# KiCad board AnalogFNN.kicad_pcb (continued)
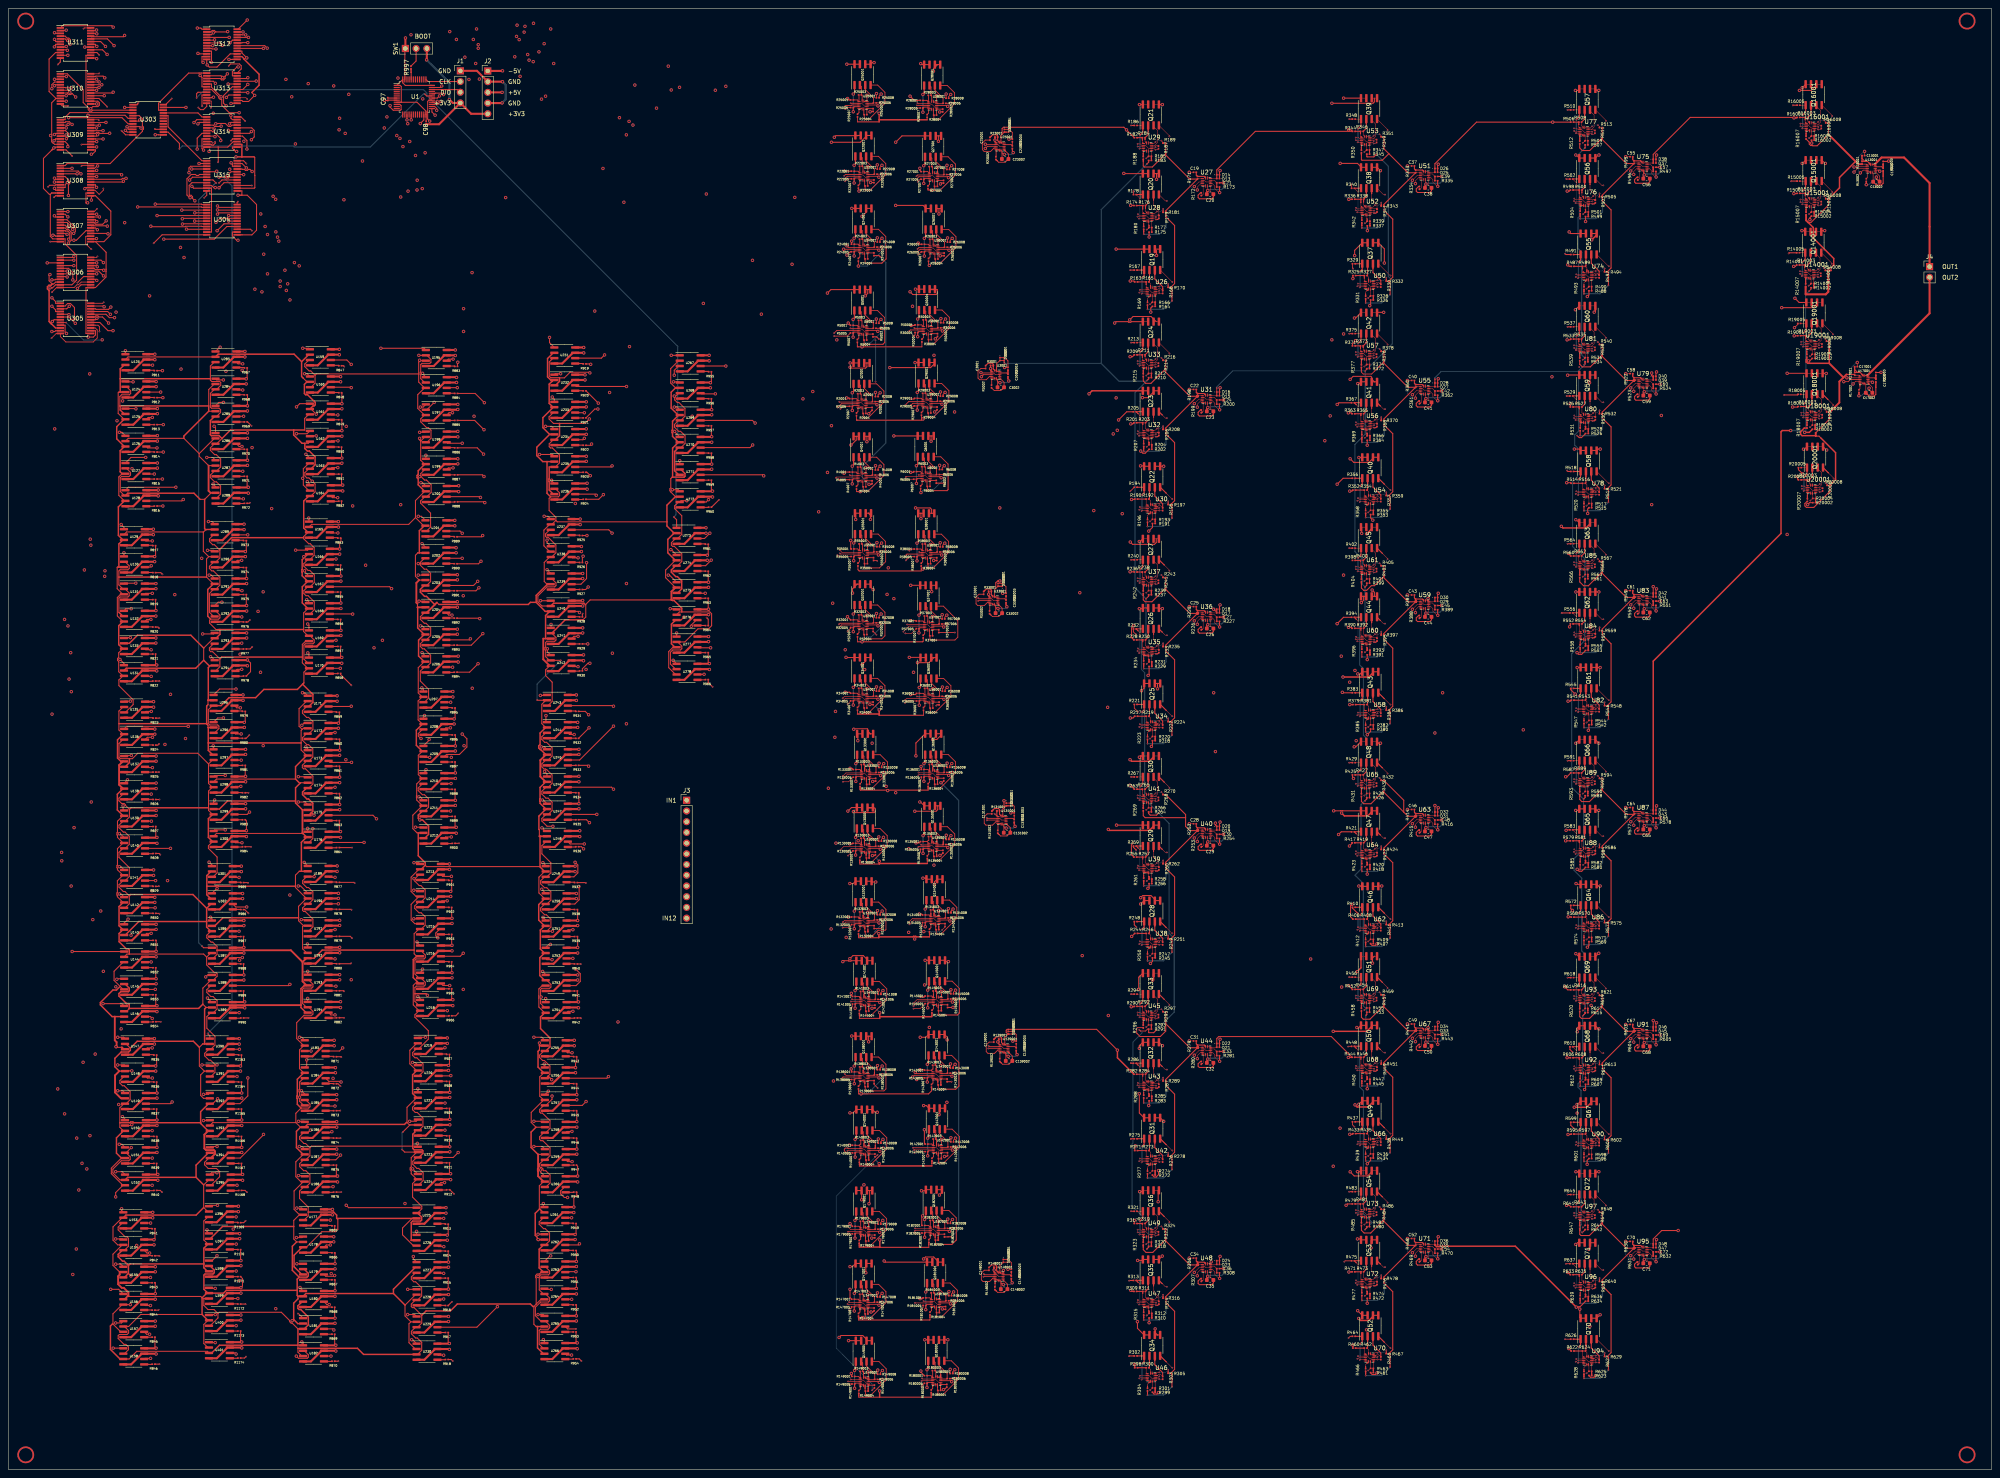
[diagram p0: board, top side]
## Routing (per net, layer and track width the routed paths; a pad name or vN(x,y) marks a point on that pad's centre or on a via; arc(x,y) is an arc through that point) (continued)
/VariableWeights/CS412: length 178
  Top w0.25: v1(130.87,259.87) 129.59,259.87 U232.1 ; U310.18 v1(20.88,327.1)
  In1.Cu w0.25: v1(127.29,325.69) 127.29,263.45 v1(130.87,259.87)
  In4.Cu w0.25: v1(20.88,327.1) 21.15,326.83 24.2,326.83 24.25,326.88 24.59,327.22 25.06,327.22 25.45,326.83 56.24,326.83 56.49,327.08 56.97,327.08 57.22,326.83 65.39,326.83 65.46,326.76 103.91,326.76 105.18,325.49 126.04,325.49 126.1,325.56 126.58,325.56 126.65,325.49 127.1,325.49 v1(127.29,325.69)
/VariableWeights/CS413: length 181.4
  Top w0.25: U233.1 129.38,253.86 v1(128.88,254.35) ; U310.17 24.64,326.45 v1(24.83,326.64)
  In1.Cu w0.25: v1(128.88,254.35) 126.34,256.89 v1(126.34,324.99)
  In2.Cu w0.25: v1(126.34,324.99) 126.09,325.24 105.43,325.24 103.52,327.15 81.8,327.15 81.45,327.5 25.68,327.5 v1(24.83,326.64)
/VariableWeights/CS414: length 186.3
  Top w0.25: v1(127.29,247.39) 128.74,247.39 U234.1 ; U310.16 v1(22.71,325.8)
  In2.Cu w0.25: v1(127.29,247.39) 125.97,248.72 v1(25.73,248.72)
  In3.Cu w0.25: v1(25.73,248.72) 25.77,248.76 25.77,273.93 26.08,274.25 26.08,274.72 25.86,274.95 25.86,276.02 25.77,276.11 25.77,322.74 v1(22.71,325.8)
/VariableWeights/CS415: length 219.6
  Top w0.25: U235.1 128.96,240.72 v1(125.86,240.72) ; v1(13.69,341.35) 13.54,341.35 13.43,341.24 U311.2
  In1.Cu w0.25: v1(125.86,240.72) 125.86,324.65 125.77,324.75 125.77,325.22 125.86,325.32 125.86,334.32 124.44,335.74 v1(124.44,342.99)
  In2.Cu w0.25: v1(13.69,341.35) 15.37,343.03 106.18,343.03 106.22,342.99 120.19,342.99 120.3,343.11 120.78,343.11 120.9,342.99 v1(124.44,342.99)
/VariableWeights/CS416: length 229
  Top w0.25: U236.1 128.72,234.51 v1(128.72,234.62) ; v1(10.92,340.73) 11.03,340.73 11.18,340.59 U311.3
  In2.Cu w0.25: v1(128.52,341.63) 116.02,341.63 115.16,342.49 106.22,342.49 106.03,342.68 50.94,342.68 50.75,342.49 25.21,342.49 25.06,342.64 24.59,342.64 24.44,342.49 20.61,342.49 18.84,340.73 10.93,340.73 v1(10.92,340.73)
  In3.Cu w0.25: v1(128.52,341.63) 128.52,269.02 128.81,268.73 128.81,268.25 128.52,267.96 128.52,254.81 128.3,254.59 128.3,254.12 128.52,253.9 128.52,234.82 v1(128.72,234.62)
/VariableWeights/CS421: length 232.2
  Top w0.25: v1(14.6,338.02) 14.6,338.6 14.65,338.64 14.65,339.12 14.31,339.45 13.91,339.45 13.43,339.94 U311.4 ; U237.1 127.87,226.06 v1(126.97,226.06)
  In4.Cu w0.25: v1(14.6,338.02) 14.73,338.14 24.68,338.14 24.8,338.26 25.28,338.26 25.4,338.14 26.72,338.14 26.95,338.37 50.92,338.37 51.15,338.14 51.87,338.14 51.91,338.1 52.25,337.76 52.73,337.76 53.1,338.14 56.17,338.14 56.49,337.81 56.97,337.81 57.3,338.14 75.12,338.14 75.82,338.84 100.35,338.84 100.7,338.49 110.56,338.49 110.83,338.22 111.1,338.49 111.58,338.49 111.93,338.14 v1(126.97,338.14)
  In5.Cu w0.25: v1(126.97,338.14) 126.97,326.18 126.72,325.93 126.72,325.45 126.97,325.21 126.97,247.88 126.72,247.63 126.72,247.15 126.97,246.91 v1(126.97,226.06)
/VariableWeights/CS422: length 234.7
  Top w0.25: U238.1 127.65,219.83 v1(127.65,220.41) ; U311.5 13.43,339.29 13.83,338.88 v1(14.07,338.88)
  In2.Cu w0.25: v1(127.65,220.41) 35.98,220.41 35.14,219.57 20.46,219.57 v1(19.39,220.64)
  In5.Cu w0.25: v1(14.07,338.88) 14.65,338.88 16.2,337.33 16.2,326.04 16.51,325.72 16.51,325.25 16.2,324.93 16.2,322.01 18.75,319.46 18.75,301.32 18.11,300.68 18.11,299.9 18.68,299.33 18.68,279.15 18.58,279.05 18.58,269.04 18.34,268.8 18.34,268.32 18.58,268.08 18.58,221.45 v1(19.39,220.64)
/VariableWeights/CS423: length 247.5
  Top w0.25: v1(127.65,213.39) 128.53,212.51 ; v1(10.92,339.17) 11.18,338.91 11.18,338.64 U311.6
  In4.Cu w0.25: v1(10.92,339.17) 11.46,339.71 27.1,339.71 27.29,339.52 27.77,339.52 27.97,339.71 48.42,339.71 50.96,342.26 120,342.26 120.3,341.96 120.78,341.96 121.08,342.26 v1(122.41,342.26)
  In5.Cu w0.25: v1(122.41,342.26) 122.41,341.5 122.45,341.46 122.79,341.12 122.79,340.64 122.41,340.27 122.41,334.25 122.76,333.9 122.76,218.27 v1(127.65,213.39)
/VariableWeights/CS424: length 238.2
  Top w0.25: 128.51,206.04 v1(126.1,206.04) ; U311.7 11.18,337.99 11.18,337.67 v1(10.9,337.39)
  In2.Cu w0.25: v1(10.9,337.39) 16.66,331.63 104.66,331.63 106.01,330.27 110.74,330.27 111.27,329.75 v1(111.62,329.75)
  In3.Cu w0.25: v1(111.62,329.75) 111.62,249.27 111.24,248.89 111.24,220.89 v1(126.1,206.04)
/VariableWeights/CS425: length 254.6
  Top w0.25: v1(13.69,337.49) 13.57,337.49 13.43,337.34 U311.8 ; 128.6,199.68 v1(128.6,200.42)
  In2.Cu w0.25: v1(128.6,200.42) 128.06,200.96 71.28,200.96 71.15,201.09 70.67,201.09 70.54,200.96 13.95,200.96 v1(13.3,201.61)
  In5.Cu w0.25: v1(13.3,201.61) 12.78,202.13 12.78,336.57 v1(13.69,337.49)
/VariableWeights/CS426: length 260.4
  Top w0.25: U242.1 127.73,193.95 v1(127.73,194.65) ; v1(13.96,336.56) 13.83,336.69 U311.9
  In4.Cu w0.25: v1(129.23,333.44) 129.04,333.24 111.35,333.24 111.32,333.21 110.98,332.87 110.5,332.87 110.13,333.24 54.37,333.24 52.84,334.78 52.69,334.78 52.49,334.97 52.02,334.97 51.82,334.78 29.53,334.78 28.1,336.21 14.31,336.21 v1(13.96,336.56)
  In5.Cu w0.25: v1(129.23,333.44) 129.23,254.81 129.45,254.59 129.45,254.12 129.23,253.9 129.23,234.92 129.3,234.85 129.3,234.38 129.23,234.31 129.23,196.15 v1(127.73,194.65)
/VariableWeights/CS431: length 259.6
  Top w0.25: U311.23 20.74,341.24 v1(20.88,341.38) ; v1(126.06,183.58) 127.5,183.58
  In1.Cu w0.25: v1(126.06,183.58) 110.52,199.12 110.52,249.16 110.58,249.22 110.92,249.56 110.92,250.03 110.58,250.37 110.58,250.49 110.81,250.72 110.81,332.71 110.97,332.87 110.98,332.87 111.32,333.21 111.32,333.68 110.94,334.06 110.94,336.65 110.77,336.81 110.77,337.29 110.94,337.46 110.94,337.5 110.77,337.67 110.77,338.15 110.94,338.32 v1(110.94,341.63)
  In2.Cu w0.25: v1(20.88,341.38) 21.13,341.63 24.44,341.63 24.59,341.49 25.06,341.49 25.21,341.63 44.16,341.63 44.19,341.6 44.53,341.27 45.01,341.27 45.37,341.63 50.38,341.63 51.08,342.33 105.89,342.33 106.59,341.63 v1(110.94,341.63)
/VariableWeights/CS432: length 265.4
  Top w0.25: v1(127.38,178.8) 127.38,177.5 U244.1 ; v1(20.94,340.47) 20.83,340.59 U311.22
  In1.Cu w0.25: v1(127.38,178.8) 127.38,186.31 123.62,190.07 123.62,334 v1(123.39,334.24)
  In2.Cu w0.25: v1(123.39,334.24) 121.72,335.91 51.09,335.91 46.53,340.47 27.97,340.47 27.77,340.67 27.29,340.67 27.1,340.47 v1(20.94,340.47)
/VariableWeights/CS433: length 277.5
  Top w0.25: U245.1 127.06,171.37 v1(126.3,171.37) ; v1(27.53,340.09) 27.23,339.79 19.65,339.79 U311.21
  In4.Cu w0.25: v1(120.54,342.53) 120.46,342.61 30.05,342.61 v1(27.53,340.09)
  In5.Cu w0.25: v1(120.54,342.53) 121.72,341.35 121.72,341.2 121.64,341.12 121.64,340.64 121.67,340.62 121.67,333.83 121.89,333.61 121.89,175.79 v1(126.3,171.37)
/VariableWeights/CS434: length 276.3
  Top w0.25: v1(127.06,165.55) 127.62,164.99 U246.1 ; v1(25.04,337.69) 23.44,339.29 U311.20
  In2.Cu w0.25: v1(25.04,337.69) 46.87,337.69 49,335.56 119.47,335.56 v1(120,335.03)
  In3.Cu w0.25: v1(127.06,165.55) 127.06,178.31 126.81,178.57 126.81,179.04 127.06,179.3 127.06,205.98 120,213.04 v1(120,335.03)
/VariableWeights/CS435: length 285.3
  Top w0.25: U247.1 126.75,158.78 v1(126.56,158.78) ; v1(23,337.49) 21.86,338.64 U311.19
  In1.Cu w0.25: v1(123.06,335.57) 123.06,334.73 122.81,334.48 122.81,334 123.06,333.75 123.06,187.48 126.74,183.81 126.74,183.03 126.56,182.85 126.56,171.93 126.88,171.61 126.88,171.14 126.56,170.81 126.56,165.86 126.49,165.79 126.49,165.31 126.56,165.25 v1(126.56,158.78)
  In4.Cu w0.25: v1(123.06,335.57) 120.27,335.57 120.24,335.6 119.76,335.6 119.73,335.57 52.89,335.57 52.78,335.68 49.49,335.68 47.93,337.23 25.4,337.23 25.28,337.11 24.8,337.11 24.68,337.23 23.26,337.23 v1(23,337.49)
/VariableWeights/CS436: length 286.5
  Top w0.25: U311.18 20.62,337.99 20.62,337.81 v1(20.94,337.5) ; 127.16,151.46 v1(126.44,152.17)
  In2.Cu w0.25: v1(20.94,337.5) 22.81,335.62 22.81,335.35 23.15,335.02 23.42,335.02 26.46,331.98 104.8,331.98 106.16,330.62 111.18,330.62 111.41,330.39 v1(121.26,330.39)
  In5.Cu w0.25: v1(126.44,152.17) 121.26,157.35 v1(121.26,330.39)
/VariableWeights/CS441: length 303
  Top w0.25: v1(126.67,143.93) 127.32,143.27 ; U311.17 v1(18.09,337.34)
  In1.Cu w0.25: v1(126.67,143.93) 128.4,145.66 128.4,196.47 124.37,200.49 v1(124.37,333.88)
  In4.Cu w0.25: v1(18.09,337.34) 18.87,336.56 28.33,336.56 29.68,335.21 51.75,335.21 51.87,335.32 52.64,335.32 52.76,335.21 53.08,335.21 54.64,333.65 110.13,333.65 110.17,333.68 110.5,334.02 110.98,334.02 111.35,333.65 124.15,333.65 v1(124.37,333.88)
/VariableWeights/CS442: length 296.7
  Top w0.25: v1(23.39,335.59) 22.29,336.69 U311.16 ; 127.32,136.66 126.39,137.59 v1(126.39,137.63)
  In2.Cu w0.25: v1(110.74,333.45) 55.76,333.45 54.4,334.81 52.66,334.81 52.49,334.97 52.02,334.97 51.86,334.81 24.17,334.81 v1(23.39,335.59)
  In3.Cu w0.25: v1(110.74,333.45) 110.89,333.29 110.89,328.49 111.27,328.11 111.27,249.41 110.89,249.03 110.89,220.24 124.75,206.38 124.75,139.27 v1(126.39,137.63)
/VariableWeights/CS443: length 287.4
  Top w0.25: v1(51.96,341.01) 51.88,340.93 49.15,340.93 49.13,340.94 48.79,341.28 48.31,341.28 47.96,340.93 U312.2 ; v1(126.7,130.96) 127.32,130.34
  In2.Cu w0.25: v1(51.96,341.01) 52.58,341.63 104.87,341.63 106.5,340 115.81,340 116.71,339.1 v1(121.04,339.1)
  In5.Cu w0.25: v1(126.7,130.96) 120.64,137.02 120.64,330.65 121.04,331.06 v1(121.04,339.1)
/VariableWeights/CS444: length 296.9
  Top w0.25: v1(48.55,340.71) 48.12,340.28 48.12,340.27 U312.3 ; 127.32,123.75 128.1,124.53 v1(128.45,124.53)
  In2.Cu w0.25: v1(122.22,340.88) 106.67,340.88 105.57,341.98 51.23,341.98 49.95,340.71 v1(48.55,340.71)
  In5.Cu w0.25: v1(128.45,124.53) 127.89,125.09 127.89,173.49 122.41,178.97 122.41,333.58 122.02,333.98 122.02,340.68 v1(122.22,340.88)
/VariableWeights/CS445: length 300.5
  Top w0.25: 127.32,117.41 v1(126.6,118.13) ; U312.4 v1(52.32,339.62)
  In2.Cu w0.25: v1(126.6,118.13) 123.93,120.8 77.9,120.8 77.64,120.54 77.16,120.54 76.9,120.8 v1(54.78,120.8)
  In5.Cu w0.25: v1(54.78,120.8) 53.97,121.6 53.97,184.13 54.6,184.75 54.6,185.45 53.78,186.26 53.78,295.29 53.88,295.38 53.88,298.07 53.78,298.16 53.78,310.56 53.3,311.04 53.3,311.56 53.76,312.01 53.76,312.12 53.52,312.35 53.52,312.83 53.76,313.07 53.76,338.18 v1(52.32,339.62)
/VariableWeights/CS446: length 307.6
  Top w0.25: v1(48.84,339.05) 48.77,338.98 U312.5 ; v1(127.32,111.7) 127.32,110.85
  In4.Cu w0.25: v1(48.84,339.05) 50.48,340.68 51.47,340.68 51.72,340.43 52.2,340.43 52.45,340.68 54.23,340.68 55.1,341.56 100.93,341.56 102.62,339.87 v1(120.42,339.87)
  In5.Cu w0.25: v1(120.42,339.87) 120.42,338.84 120.63,338.62 120.63,334.75 120.29,334.41 120.29,118.74 126.39,112.64 126.5,112.64 126.83,112.3 126.83,112.19 v1(127.32,111.7)
/VariableWeights/CS451: length 310.3
  Top w0.25: v1(50.67,337.74) 50.08,338.32 U312.6 ; v1(124.53,102.52) 126.41,102.52 U255.1
  In1.Cu w0.25: v1(110.17,339.14) 110.17,333.69 110.17,333.68 110.17,333.21 110.17,333.21 110.17,284.37 110.46,284.08 110.46,283.61 110.17,283.32 110.17,250.43 110.11,250.37 109.77,250.03 109.77,249.56 110.17,249.16 110.17,185.85 110.5,185.52 110.5,185.04 110.17,184.72 110.17,116.88 v1(124.53,102.52)
  In2.Cu w0.25: v1(50.67,337.74) 92.3,337.74 92.99,338.43 109.45,338.43 v1(110.17,339.14)
/VariableWeights/CS452: length 315.8
  Top w0.25: 127.12,95.36 127.12,96.02 v1(126.98,96.17) ; U312.7 v1(48.42,337.68)
  In3.Cu w0.25: v1(111.34,337.91) 110.54,337.11 110.54,334.06 110.5,334.02 110.17,333.68 110.17,333.21 110.19,333.18 110.19,329.15 110.54,328.8 110.54,250.41 110.58,250.37 110.92,250.03 110.92,249.56 110.54,249.18 110.54,219.92 110.56,219.91 110.56,112.59 v1(126.98,96.17)
  In4.Cu w0.25: v1(48.42,337.68) 49.41,337.68 49.97,337.11 59.62,337.11 60.16,337.65 61.08,337.65 61.09,337.66 61.56,337.66 61.57,337.65 91.76,337.65 92.55,338.44 100.25,338.44 100.84,337.85 111.28,337.85 v1(111.34,337.91)
/VariableWeights/CS453: length 328.9
  Top w0.25: U257.1 v1(127.95,89.73) ; U312.8 48.12,337.02 48.26,336.89 v1(49.19,336.89)
  In3.Cu w0.25: v1(125.72,336.2) 127.95,333.97 127.95,269.02 127.66,268.73 127.66,268.25 127.95,267.96 127.95,254.74 127.95,254.74 127.95,253.97 127.95,253.97 127.95,220.92 128.23,220.65 128.23,220.17 127.95,219.9 127.95,213.9 128.23,213.62 128.23,213.15 127.95,212.87 127.95,195.24 127.97,195.22 128.3,194.89 128.3,194.41 127.95,194.06 127.95,179.05 127.96,179.04 127.96,178.57 127.95,178.56 127.95,124.85 127.88,124.77 127.88,124.29 127.95,124.21 v1(127.95,89.73)
  In4.Cu w0.25: v1(125.72,336.2) 119.86,336.2 119.59,335.92 53.04,335.92 52.93,336.03 50.05,336.03 v1(49.19,336.89)
/VariableWeights/CS454: length 322.7
  Top w0.25: v1(124.53,82.59) 126.99,82.59 ; v1(48.12,333.71) 48.12,336.38 U312.9
  In4.Cu w0.25: v1(48.12,333.71) 50.64,333.71 53.65,330.7 56.99,330.7 57.07,330.62 108.16,330.62 v1(109.14,329.65)
  In5.Cu w0.25: v1(109.14,329.65) 109.14,269.37 109.31,269.2 109.31,240.01 109.22,239.92 109.22,197.55 108.91,197.24 108.91,196.76 109.22,196.45 109.22,97.9 v1(124.53,82.59)
/VariableWeights/CS455: length 327.5
  Top w0.25: v1(124.53,76.62) 126.51,76.62 U259.1 ; U312.23 v1(55.59,340.93)
  In2.Cu w0.25: v1(104.59,341.01) 55.67,341.01 v1(55.59,340.93)
  In5.Cu w0.25: v1(124.53,76.62) 107.33,93.81 107.33,113.51 107.22,113.63 107.22,114.1 107.33,114.22 107.33,122.09 107.22,122.21 107.22,122.68 107.33,122.8 107.33,173.81 107.31,173.84 106.97,174.17 106.97,174.65 107.33,175.01 107.33,206.87 107.22,206.98 107.22,207.46 107.33,207.58 107.33,215.5 107.31,215.52 106.97,215.86 106.97,216.34 107.33,216.7 107.33,221.44 107.31,221.46 106.97,221.8 106.97,222.28 107.33,222.64 107.33,242.79 107.31,242.82 106.97,243.15 106.97,243.63 107.33,243.99 107.33,269.61 107.29,269.66 107.29,270.14 107.33,270.18 107.33,275 107.29,275.05 107.29,275.53 107.33,275.58 107.33,311.04 105.45,312.92 105.45,340.14 v1(104.59,341.01)
/VariableWeights/CS456: length 325.4
  Top w0.25: v1(56.23,340.24) 55.36,340.24 55.33,340.27 U312.22 ; 127.12,69.56 126.1,70.58 v1(126.1,71.06)
  In1.Cu w0.25: v1(126.1,71.06) 100.25,96.91 100.25,168.49 100.41,168.65 100.41,169.13 100.25,169.3 100.25,172.87 100.28,172.9 100.28,173.38 100.25,173.4 100.25,319.38 100.41,319.55 100.41,320.03 100.25,320.19 100.25,331.63 95.4,336.48 v1(95.4,340.25)
  In2.Cu w0.25: v1(56.23,340.24) 56.24,340.25 v1(95.4,340.25)
/VariableWeights/CS461: length 328.3
  Top w0.25: U261.1 126.76,62.52 v1(126.76,63.09) ; v1(56.89,339.62) U312.21
  In4.Cu w0.25: v1(126.76,63.09) v1(93.98,63.09)
  In5.Cu w0.25: v1(93.98,63.09) 93.98,104.31 80.67,117.62 80.67,233.74 71.18,243.23 71.18,325.33 v1(56.89,339.62)
/VariableWeights/CS462: length 359
  Top w0.25: U262.1 v1(125.52,55.81) ; U312.20 53.08,338.98 53.08,338.93 v1(52.49,338.34)
  In2.Cu w0.25: v1(53.28,57.02) 54.63,57.02 55.77,55.88 101.79,55.88 102.14,56.23 125.09,56.23 v1(125.52,55.81)
  In5.Cu w0.25: v1(53.28,57.02) 53.28,295.28 53.53,295.53 53.53,297.92 53.28,298.17 53.28,307.23 53.08,307.43 53.08,309.36 53.07,309.37 53.35,309.65 53.35,310.13 53.08,310.39 53.08,310.76 52.95,310.89 52.95,312.76 53.4,313.21 53.4,337.42 v1(52.49,338.34)
/VariableWeights/CS463: length 352.5
  Top w0.25: U312.19 55.33,338.32 55.39,338.39 v1(56.73,338.39) ; 127.03,49.36 128.35,50.68 v1(128.52,50.68)
  In2.Cu w0.25: v1(106.17,339.14) 105.8,338.78 57.12,338.78 v1(56.73,338.39)
  In5.Cu w0.25: v1(106.17,339.14) 106.02,339 106.02,316.3 108.79,313.54 108.79,269.16 108.96,268.99 108.96,240.15 108.87,240.06 108.87,197.7 108.56,197.39 108.56,196.62 108.87,196.31 108.87,93.3 128.52,73.66 v1(128.52,50.68)
/VariableWeights/CS464: length 362.2
  Top w0.25: v1(128.65,42.72) 127.21,42.72 U264.1 ; U312.18 60.73,337.68 v1(61.32,337.08)
  In4.Cu w0.25: v1(61.32,337.08) 91.77,337.08 92.77,338.08 99.94,338.08 100.97,337.05 v1(111.35,337.05)
  In5.Cu w0.25: v1(111.35,337.05) 111.4,337 111.4,333.13 110.97,332.71 110.97,213.77 119.92,204.82 119.92,88.74 129.15,79.51 129.15,43.22 v1(128.65,42.72)
/VariableWeights/CS465: length 370.8
  Top w0.25: v1(125.53,36.76) 126.72,36.76 U265.1 ; v1(60.44,337.02) U312.17
  In2.Cu w0.25: v1(125.53,36.76) 124.14,38.15 116.23,38.15 116.14,38.06 115.66,38.06 115.56,38.15 v1(63.36,38.15)
  In3.Cu w0.25: v1(63.36,38.15) 63.36,113.97 63.01,114.32 63.01,241.23 62.37,241.86 62.37,279.02 62.02,279.37 62.02,299.25 62.08,299.31 62.08,335.38 v1(60.44,337.02)
/VariableWeights/CS466: length 369.2
  Top w0.25: U266.1 127.03,30.57 v1(126.78,30.82) ; v1(56.49,334.76) 55.33,335.93 55.33,336.38 U312.16
  In2.Cu w0.25: v1(108.18,334.93) 56.66,334.93 v1(56.49,334.76)
  In3.Cu w0.25: v1(108.18,334.93) 108.18,275.79 108.44,275.53 108.44,275.05 108.18,274.79 108.18,270.4 108.44,270.14 108.44,269.66 108.18,269.4 108.18,207.65 108.37,207.46 108.37,206.98 108.18,206.79 108.18,175.09 108.47,174.79 108.47,174.03 108.18,173.73 108.18,172.28 108.22,172.23 108.56,171.9 108.56,171.42 108.53,171.39 108.53,156.99 108.18,156.64 108.18,122.87 108.37,122.68 108.37,122.21 108.18,122.02 108.18,114.29 108.37,114.1 108.37,113.63 108.18,113.44 108.18,49.42 v1(126.78,30.82)
/VariableWeights/CS511: length 176.9
  Top w0.25: U267.1 v1(157.09,264.24) ; 47,330.52 50.37,330.52 v1(50.76,330.14)
  In3.Cu w0.25: v1(157.09,264.24) v1(157.09,327.17)
  In4.Cu w0.25: v1(50.76,330.14) 51.11,329.79 52.21,329.79 54.54,327.46 65.26,327.46 65.61,327.11 103.23,327.11 103.82,327.7 156.56,327.7 v1(157.09,327.17)
/VariableWeights/CS512: length 183.1
  Top w0.25: v1(157.61,257.94) 158.95,257.94 ; U313.3 50.21,329.88 50.52,329.56 51,329.56 51.33,329.9 51.33,330.43 v1(51.89,330.99)
  In1.Cu w0.25: v1(55.38,260.7) 54.89,261.2 54.89,290.63 55.39,291.13 55.39,302.61 55.13,302.87 55.13,310.61 55.28,310.77 55.28,311.88 55.02,312.15 55.02,321.3 55.25,321.53 55.25,322.01 55.02,322.24 55.02,327.86 v1(51.89,330.99)
  In4.Cu w0.25: v1(157.61,257.94) 154.85,260.7 v1(55.38,260.7)
/VariableWeights/CS513: length 184
  Top w0.25: U269.1 158.48,251.96 v1(157.81,251.96) ; v1(49.05,328.74) 48.57,329.23 U313.4
  In4.Cu w0.25: v1(51.55,260.46) 51.58,260.42 54.85,260.42 55.14,260.13 55.62,260.13 55.85,260.35 55.87,260.35 61.43,254.79 128.5,254.79 128.64,254.93 129.11,254.93 129.25,254.79 154.98,254.79 v1(157.81,251.96)
  In5.Cu w0.25: v1(51.55,260.46) 51.55,296.66 51.58,296.69 51.58,301.35 51.57,301.36 51.57,306.33 51.28,306.62 51.28,307.09 51.57,307.39 51.57,307.95 51.49,308.02 51.49,314.54 51.59,314.64 51.59,315.7 51.3,315.99 51.3,322.89 51.04,323.16 51.04,323.63 51.3,323.9 51.3,324.95 51.08,325.17 51.08,325.64 51.3,325.87 51.3,326.49 v1(49.05,328.74)
/VariableWeights/CS514: length 191.9
  Top w0.25: U313.5 48.12,328.57 48.12,327.81 v1(50.41,325.53) ; v1(157.9,246.18) 157.9,246.09 U270.1
  In2.Cu w0.25: v1(153.59,322.85) 105.65,322.85 103.76,324.75 103.76,326.34 103.29,326.8 81.48,326.8 81.13,327.15 52.02,327.15 v1(50.41,325.53)
  In3.Cu w0.25: v1(157.9,246.18) 157.9,250.79 156.31,252.37 156.31,320.13 v1(153.59,322.85)
/VariableWeights/CS515: length 203.4
  Top w0.25: v1(45.43,330.6) 45.88,330.16 45.88,327.93 U313.6 ; v1(159.1,239.26) U271.1
  In4.Cu w0.25: v1(45.43,330.6) 45.63,330.8 51.19,330.8 51.72,330.27 55.49,330.27 56.47,329.3 57.18,329.3 58.56,327.92 65.46,327.92 65.93,327.46 103.01,327.46 103.6,328.05 148.18,328.05 v1(148.46,328.33)
  In5.Cu w0.25: v1(148.46,328.33) 153.36,323.42 153.83,323.42 154.17,323.09 154.17,322.62 155.94,320.85 155.94,242.42 v1(159.1,239.26)
/VariableWeights/CS516: length 197.7
  Top w0.25: v1(54.67,321.77) 52.33,321.77 50.56,323.54 50.56,324.84 50.44,324.96 50.17,324.96 49.83,325.29 49.83,325.57 48.12,327.27 U313.7 ; v1(157.34,232.36) 158.73,232.36 U272.1
  In4.Cu w0.25: v1(54.67,321.77) 54.97,321.48 99.92,321.48 102.56,318.84 v1(148.01,318.84)
  In5.Cu w0.25: v1(157.34,232.36) 148.01,241.69 v1(148.01,318.84)
/VariableWeights/CS521: length 187.6
  Top w0.25: v2(157.7,225.9) 158.35,225.25 U273.1 ; U313.8 44.92,326.62 44.6,326.3 v2(44.6,325.3)
  Bottom w0.25: v2(157.7,225.9) 158.2,226.4 158.2,245.46 158.62,245.88 158.62,266.38 99.16,325.84 99.16,326.44 98.37,327.23 46.53,327.23 v2(44.6,325.3)
/VariableWeights/CS522: length 214.5
  Top w0.25: U313.9 45.88,325.98 45.88,323.37 v2(45.97,323.28) ; v1(157,218.16) 157.08,218.16 U274.1
  In3.Cu w0.25: v1(157,218.16) 157,231.88 156.76,232.12 156.76,232.6 157,232.83 157,251.02 155.84,252.17 155.84,258.59 147.09,267.34 v1(147.09,319.71)
  In4.Cu w0.25: v2(45.97,323.28) 46.88,322.37 52.04,322.37 52.09,322.42 54.02,322.42 54.29,322.7 55.41,322.7 55.68,322.42 100.01,322.42 100.56,321.87 101.16,321.87 101.25,321.78 101.73,321.78 101.82,321.87 102.78,321.87 104.94,319.71 v1(147.09,319.71)
/VariableWeights/CS523: length 229.6
  Top w0.25: U275.1 156.68,212.11 v1(156.38,212.11) ; v1(54.44,332.62) 54.16,332.62 53.08,331.54 53.08,330.52 54.2,330.52
  In1.Cu w0.25: v1(156.38,332.81) v1(156.38,212.11)
  In4.Cu w0.25: v1(156.38,332.81) 111.41,332.81 111.13,332.52 110.36,332.52 110.07,332.81 54.63,332.81 v1(54.44,332.62)
/VariableWeights/CS524: length 229.7
  Top w0.25: v1(156.84,204.14) 158.2,204.14 ; v1(56.73,330.08) 56.53,329.88 U313.22
  In3.Cu w0.25: v1(56.73,330.08) 59.16,327.65 v1(59.16,203.51)
  In4.Cu w0.25: v1(156.84,204.14) 156.21,203.51 135.88,203.51 135.58,203.82 135.1,203.82 134.8,203.51 v1(59.16,203.51)
/VariableWeights/CS525: length 236.3
  Top w0.25: v1(158.35,198.39) U277.1 ; U313.21 58.68,329.23 v1(58.73,329.27)
  In2.Cu w0.25: v1(159.05,327.8) 148.75,327.8 148.7,327.75 148.22,327.75 148.17,327.8 104.69,327.8 103.18,329.31 66.34,329.31 66.05,329.02 63.87,329.02 63.62,329.27 v1(58.73,329.27)
  In3.Cu w0.25: v1(159.05,327.8) 159.05,246.77 158.47,246.19 158.47,245.94 158.35,245.82 v1(158.35,198.39)
/VariableWeights/CS526: length 244.6
  Top w0.25: U313.20 52.06,328.57 v1(52.06,328.57) ; v1(157.53,191.91) U278.1
  In1.Cu w0.25: v1(52.06,328.57) 54.43,326.2 54.43,322.34 54.1,322.01 54.1,321.53 54.43,321.2 54.43,313.07 54.67,312.83 54.67,312.35 54.54,312.22 54.54,312.08 54.93,311.68 54.93,310.91 54.78,310.76 54.78,302.72 55.04,302.46 55.04,291.28 54.49,290.73 54.49,193.78 v1(54.9,193.36)
  In2.Cu w0.25: v1(157.53,191.91) 156.94,192.5 115.75,192.5 114.69,193.56 106.11,193.56 105.56,193.01 96.06,193.01 95.7,193.36 71.44,193.36 71.18,193.1 70.71,193.1 70.44,193.36 v1(54.9,193.36)
/VariableWeights/CS1110: length 84
  Top w0.25: v1(51.65,325.41) 52.22,325.98 U313.16 ; 49.08,245.81 49.08,247.09 v1(48.74,247.42)
  In3.Cu w0.25: v1(51.65,325.41) 49.76,323.51 49.76,315.43 49.74,315.41 49.74,314.93 49.76,314.91 49.76,314.87 48.64,313.74 48.64,304.53 48.39,304.28 48.39,303.76 48.56,303.58 48.56,247.6 v1(48.74,247.42)
/VariableWeights/CS1111: length 79.5
  Top w0.25: v1(46.23,312.91) 45.88,313.27 45.88,315.57 U314.9 ; 49.08,239.36 48.42,240.01 v1(47.01,240.01)
  In3.Cu w0.25: v1(47.01,240.01) 47.01,312.13 v1(46.23,312.91)
/VariableWeights/CS1112: length 87.3
  Top w0.25: 49.08,232.91 49.08,233.12 v1(48.49,233.71) ; U314.8 48.81,316.23 v1(48.95,316.09)
  In1.Cu w0.25: v1(48.95,316.09) 49.74,315.29 49.74,314.93 49.75,314.92 49.75,314.79 50.54,314 50.54,298.86 50.17,298.5 50.17,295.32 49.5,294.65 49.4,294.65 48.09,293.34 48.09,234.11 v1(48.49,233.71)
/VariableWeights/CS1210: length 120
  Top w0.25: v1(50.41,318.59) 50.33,318.51 48.87,318.51 48.55,318.82 U314.4 ; U292.1 49.71,205.69 v1(50.6,205.69)
  In5.Cu w0.25: v1(50.41,318.59) 50.93,318.07 50.93,315.87 51.24,315.55 51.24,314.79 50.93,314.47 50.93,301.5 51.23,301.2 51.23,296.84 50.93,296.54 50.93,292.75 50.91,292.74 50.91,259.96 51.59,259.28 51.59,206.68 v1(50.6,205.69)
/VariableWeights/CS1211: length 130.8
  Top w0.25: v1(46.03,198.16) 48.63,198.16 U293.1 ; v1(44.92,319.13) 45.26,319.48 U314.3
  In3.Cu w0.25: v1(46.03,198.16) 46.03,215.5 46.05,215.52 46.38,215.86 46.38,216.34 46.03,216.69 46.03,299.67 44.76,300.94 44.76,301.12 44.42,301.46 44.24,301.46 42.32,303.38 42.32,306.05 42.68,306.42 43.03,306.42 44.23,307.62 44.23,307.7 44.57,308.04 44.65,308.04 45.81,309.2 45.81,310.37 44.09,312.09 44.09,318.3 v1(44.92,319.13)
/VariableWeights/CS1212: length 136.9
  Top w0.25: U314.2 44.66,320.12 v1(43.98,319.44) ; v1(47.9,192.74) 48.09,192.74 U294.1
  In5.Cu w0.25: v1(43.98,319.44) 43.98,309.02 44.96,308.04 45.04,308.04 45.38,307.7 45.38,307.62 46.52,306.48 46.52,304.25 50.17,300.59 50.17,297.45 49.6,296.87 49.34,296.87 46.03,293.56 46.03,216.69 46.05,216.67 46.38,216.34 46.38,215.86 46.03,215.51 46.03,199.25 47.9,197.39 v1(47.9,192.74)
/VariableWeights/CS1310: length 163.6
  Top w0.25: U314.20 57.65,318.18 58.25,317.57 58.25,316.03 v1(57.58,315.36) ; U298.1 48.88,164.61 v1(51.38,164.61)
  In3.Cu w0.25: v1(51.38,164.61) 52.02,165.24 52.02,248.93 57.43,254.34 57.43,281.36 58.38,282.3 58.38,314.56 v1(57.58,315.36)
/VariableWeights/CS1311: length 164.7
  Top w0.25: v1(52.12,317.62) 52.21,317.52 54.2,317.52 ; U299.1 48.62,158.54 v1(48.86,158.78)
  In1.Cu w0.25: v1(52.12,317.62) 51.53,317.03 51.53,307.7 51.8,307.43 52.09,307.43 52.43,307.09 52.43,306.8 52.47,306.75 52.47,297.99 52.83,297.63 52.83,295.82 52.47,295.47 52.47,183.64 48.86,180.03 48.86,172.11 49.11,171.86 49.11,171.39 48.86,171.14 v1(48.86,158.78)
/VariableWeights/CS1312: length 175.5
  Top w0.25: v1(57.58,317.3) 57.16,316.88 U314.18 ; U300.1 48.87,151.7 v1(51.38,151.7)
  In3.Cu w0.25: v1(51.38,151.7) 52.72,153.03 52.72,243.73 57.78,248.8 57.78,281.22 58.73,282.16 58.73,316.15 v1(57.58,317.3)